# KiCad board KlusterLab r2.0.kicad_pcb (continued)
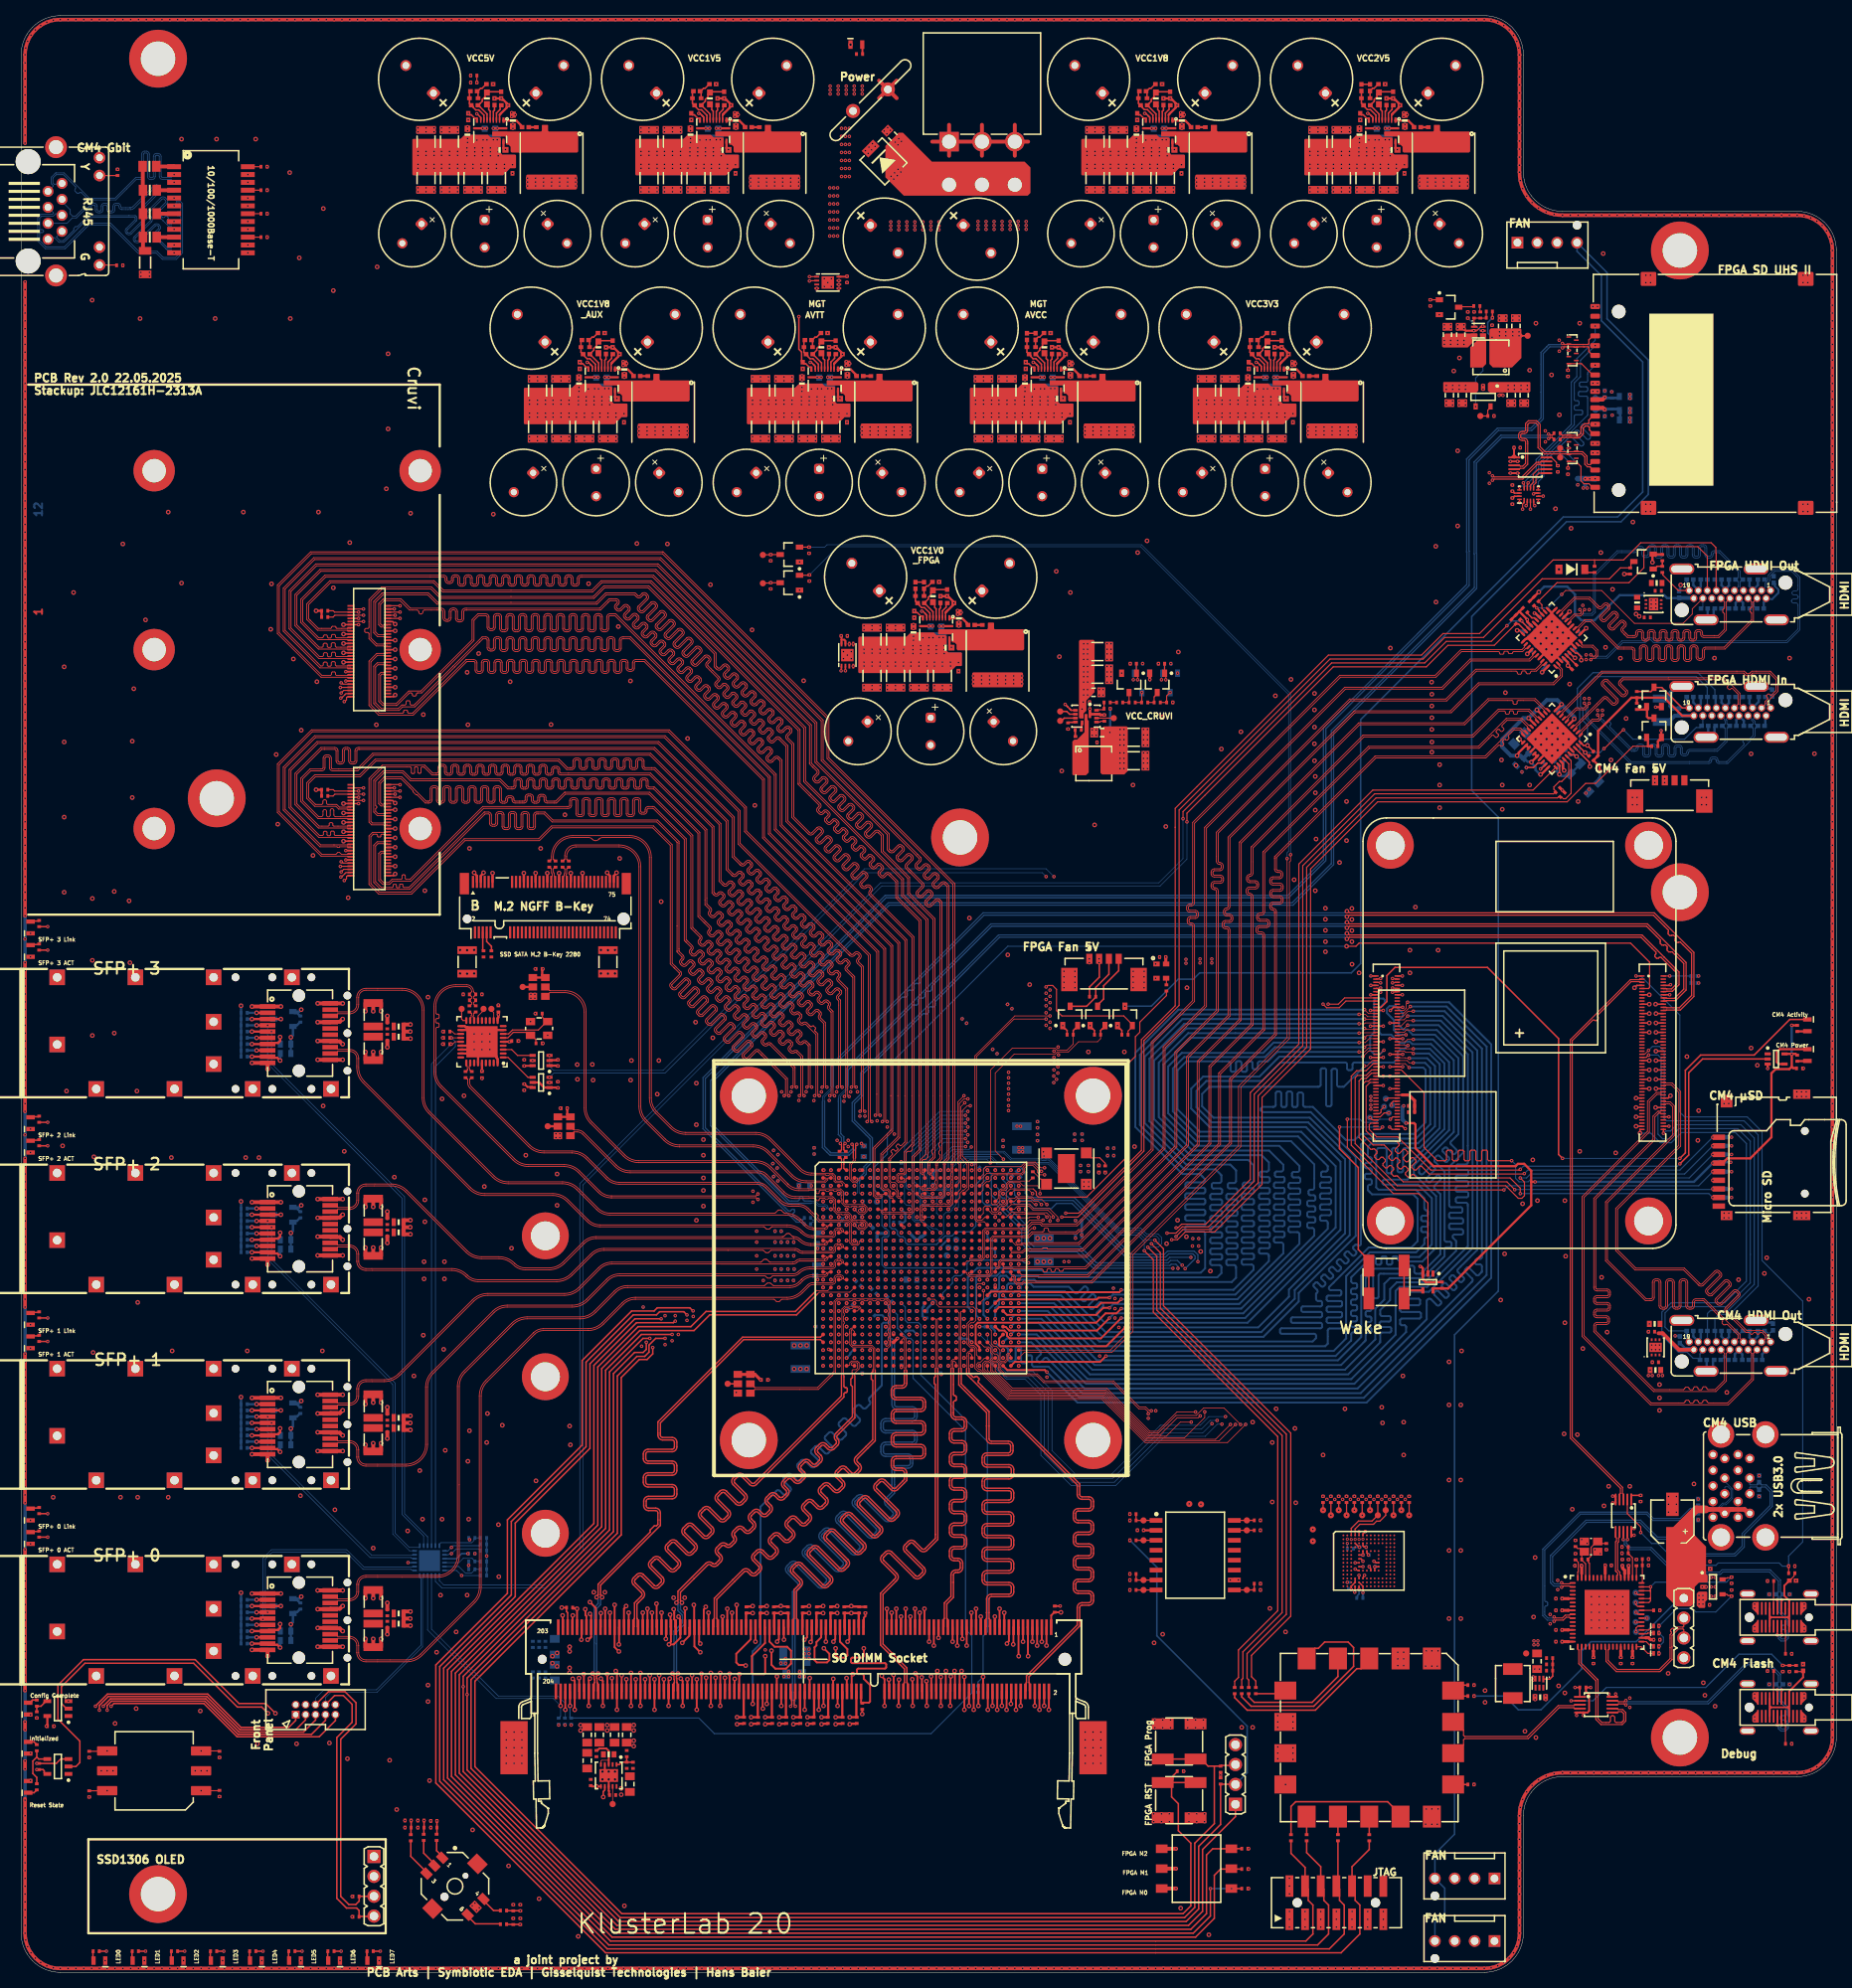
[diagram p0: board, top side]
## Routing (per net, layer and track width the routed paths; a pad name or vN(x,y) marks a point on that pad's centre or on a via; arc(x,y) is an arc through that point) (continued)
CRUVI_B_1_P: length 155.8
  L1 Top w0.114: J27.21 42.11,147.67 41.71,147.67 41.69,147.65 40.84,147.65 40.2,147.65 arc(40.04,147.72) 39.97,147.88 39.97,148.45 arc(39.74,148.69) 39.51,148.45 39.51,147.86 arc(39.27,147.62) 39.04,147.86 39.04,148.33 arc(38.81,148.56) 38.58,148.33 38.58,147.88 arc(38.51,147.72) 38.35,147.65 38.04,147.65 35.99,149.7 35.99,152.48 37.02,153.51 38.43,153.51 arc(38.72,153.63) 38.84,153.92 38.84,155.13 arc(38.89,155.25) 39.01,155.3 39.23,155.3 arc(39.35,155.25) 39.4,155.13 39.4,153.92 arc(39.52,153.63) 39.81,153.51 43.02,153.51 45.02,155.51 80.35,155.51 89.2,146.66 89.2,139.4 89.72,138.88 arc(89.99,138.77) 90.26,138.88 90.54,139.17 arc(90.64,139.21) 90.74,139.17 arc(90.74,139.17) 90.74,139.17 90.94,138.97 arc(90.98,138.87) 90.94,138.77 90.44,138.26 arc(90.32,137.99) 90.44,137.72 90.64,137.52 arc(90.91,137.41) 91.18,137.52 91.68,138.03 arc(91.78,138.07) 91.88,138.03 92.08,137.83 arc(92.08,137.83) 92.08,137.83 arc(92.12,137.73) 92.08,137.63 91.57,137.13 arc(91.46,136.86) 91.57,136.59 91.77,136.39 arc(92.04,136.27) 92.31,136.39 92.82,136.89 arc(92.92,136.93) 93.02,136.89 93.22,136.69 arc(93.22,136.69) 93.22,136.69 arc(93.26,136.6) 93.22,136.5 92.71,135.99 arc(92.6,135.72) 92.71,135.45 92.91,135.25 arc(93.18,135.14) 93.45,135.25 93.96,135.76 arc(94.06,135.8) 94.16,135.76 94.36,135.56 arc(94.4,135.46) 94.36,135.36 93.85,134.85 arc(93.74,134.58) 93.85,134.31 94.05,134.11 arc(94.32,134) 94.59,134.11 95.1,134.62 arc(95.2,134.66) 95.3,134.62 95.49,134.42 arc(95.54,134.32) 95.5,134.22 94.99,133.71 arc(94.88,133.44) 94.99,133.17 95.19,132.97 arc(95.46,132.86) 95.73,132.97 arc(95.73,132.97) 95.73,132.97 96.23,133.48 arc(96.33,133.52) 96.43,133.48 96.63,133.28 arc(96.67,133.18) 96.63,133.08 96.13,132.57 arc(96.01,132.3) 96.13,132.03 96.32,131.83 arc(96.59,131.72) 96.86,131.83 arc(96.86,131.83) 96.87,131.83 97.37,132.34 arc(97.47,132.38) 97.57,132.34 arc(97.57,132.34) 97.57,132.34 97.77,132.14 arc(97.81,132.04) 97.77,131.94 97.26,131.44 arc(97.15,131.17) 97.26,130.9 97.46,130.7 arc(97.73,130.58) 98,130.7 arc(98,130.7) 98,130.7 98.51,131.2 arc(98.61,131.25) 98.71,131.2 arc(98.71,131.2) 98.71,131.2 98.91,131.01 arc(98.95,130.91) 98.91,130.81 98.4,130.3 arc(98.29,130.03) 98.4,129.76 98.6,129.56 arc(98.87,129.45) 99.14,129.56 99.65,130.07 arc(99.75,130.11) 99.85,130.07 100.05,129.87 arc(100.05,129.87) 100.05,129.87 arc(100.09,129.77) 100.05,129.67 99.54,129.16 arc(99.43,128.89) 99.54,128.62 99.74,128.42 arc(100.01,128.31) 100.28,128.42 100.79,128.93 arc(100.89,128.97) 100.99,128.93 101.18,128.73 arc(101.18,128.73) 101.18,128.73 arc(101.23,128.63) 101.18,128.53 100.68,128.02 arc(100.56,127.75) 100.68,127.48 100.88,127.28 arc(101.15,127.17) 101.42,127.28 101.92,127.79 arc(102.02,127.83) 102.12,127.79 102.32,127.59 arc(102.36,127.49) 102.32,127.39 101.81,126.88 arc(101.7,126.61) 101.81,126.34 102.01,126.15 arc(102.28,126.03) 102.55,126.15 arc(102.55,126.15) 102.55,126.15 103.06,126.65 arc(103.16,126.69) 103.26,126.65 103.46,126.45 arc(103.5,126.35) 103.46,126.25 102.95,125.75 arc(102.84,125.48) 102.95,125.21 103.15,125.01 arc(103.42,124.9) 103.69,125.01 arc(103.69,125.01) 103.69,125.01 104.2,125.52 arc(104.3,125.56) 104.4,125.51 104.6,125.32 arc(104.64,125.22) 104.6,125.12 104.31,124.83 arc(104.2,124.56) 104.31,124.29 104.49,124.11 104.49,113.1
  L3 Inner2 (Sig) w0.1: v1(111.5,101.5) 111.43,101.57 111.43,101.84 111.37,101.9 111.12,101.9 110.9,102.12 110.9,103.03 110.84,103.09 110.84,103.5 107.93,106.4 106.33,106.4 104.34,108.4 104.34,111.34 104.4,111.4 104.4,111.86 104.6,112.06 104.6,112.71 104.52,112.78 104.52,112.87 104.32,113.07 v1(104.32,113.1)
CRUVI_B_2_N: length 161
  L1 Top w0.114: 105.63,112 105.63,125.71 104.52,126.82 arc(104.48,126.92) 104.52,127.02 104.66,127.16 arc(104.77,127.4) 104.69,127.66 104.69,127.66 104.42,127.93 104.42,127.93 arc(104.16,128.01) 103.92,127.9 103.72,127.7 arc(103.62,127.66) 103.52,127.7 103.32,127.9 arc(103.28,128) 103.32,128.1 103.68,128.46 arc(103.79,128.7) 103.72,128.96 103.72,128.97 103.45,129.24 103.44,129.24 arc(103.19,129.31) 102.94,129.2 102.58,128.84 arc(102.49,128.8) 102.39,128.84 102.19,129.04 arc(102.15,129.14) 102.19,129.24 102.55,129.6 arc(102.66,129.84) 102.58,130.1 102.58,130.1 102.31,130.37 102.31,130.37 arc(102.05,130.45) 101.81,130.34 101.45,129.98 arc(101.35,129.94) 101.25,129.98 101.05,130.18 arc(101.01,130.28) 101.05,130.38 101.41,130.74 arc(101.52,130.98) 101.44,131.24 101.44,131.24 101.17,131.51 101.17,131.51 arc(100.91,131.59) 100.67,131.48 100.31,131.12 arc(100.21,131.08) 100.11,131.12 99.91,131.32 arc(99.87,131.42) 99.91,131.52 100.27,131.87 arc(100.27,131.87) 100.27,131.88 arc(100.38,132.12) 100.31,132.37 100.31,132.38 100.04,132.65 100.03,132.65 arc(99.77,132.73) 99.53,132.61 99.17,132.25 arc(99.07,132.21) 98.97,132.26 98.77,132.45 arc(98.73,132.55) 98.77,132.65 99.13,133.01 arc(99.13,133.01) 99.13,133.01 arc(99.24,133.26) 99.17,133.51 99.17,133.52 98.9,133.79 98.89,133.79 arc(98.64,133.86) 98.39,133.75 98.03,133.39 arc(97.93,133.35) 97.83,133.39 97.64,133.59 arc(97.59,133.69) 97.64,133.79 97.99,134.15 arc(97.99,134.15) 97.99,134.15 arc(98.11,134.39) 98.03,134.65 98.03,134.66 97.76,134.93 97.75,134.93 arc(97.5,135) 97.26,134.89 96.9,134.53 arc(96.8,134.49) 96.7,134.53 96.5,134.73 arc(96.46,134.83) 96.5,134.93 96.86,135.29 arc(96.86,135.29) 96.86,135.29 arc(96.97,135.53) 96.89,135.79 96.89,135.79 96.62,136.06 96.62,136.06 arc(96.36,136.14) 96.12,136.03 95.76,135.67 arc(95.66,135.63) 95.56,135.67 95.36,135.87 arc(95.32,135.97) 95.36,136.07 95.72,136.43 arc(95.72,136.43) 95.72,136.43 arc(95.83,136.67) 95.75,136.93 95.75,136.93 95.48,137.2 95.48,137.2 arc(95.22,137.28) 94.98,137.17 94.62,136.81 arc(94.52,136.77) 94.42,136.81 94.22,137.01 arc(94.18,137.11) 94.22,137.21 94.58,137.56 arc(94.69,137.81) 94.62,138.06 94.62,138.07 94.35,138.34 94.34,138.34 arc(94.08,138.41) 93.84,138.3 93.48,137.94 arc(93.38,137.9) 93.28,137.94 93.08,138.14 arc(93.04,138.24) 93.08,138.34 93.44,138.7 arc(93.55,138.95) 93.48,139.2 93.48,139.21 93.21,139.48 93.2,139.48 arc(92.95,139.55) 92.7,139.44 92.34,139.08 arc(92.24,139.04) 92.15,139.08 91.95,139.28 arc(91.9,139.38) 91.95,139.48 92.3,139.84 arc(92.42,140.08) 92.34,140.34 92.34,140.34 92.07,140.61 92.07,140.61 arc(91.81,140.69) 91.57,140.58 91.26,140.28 arc(91.16,140.24) 91.06,140.28 90.34,141 90.34,147.13 80.97,156.5 43.08,156.5 arc(42.79,156.38) 42.67,156.09 42.67,154.79 arc(42.62,154.67) 42.5,154.62 42.27,154.62 arc(42.15,154.67) 42.1,154.79 42.1,156.1 arc(41.98,156.39) 41.69,156.51 41.47,156.51 arc(41.18,156.39) 41.06,156.1 41.06,154.79 arc(41.01,154.67) 40.89,154.62 40.66,154.62 arc(40.54,154.67) 40.5,154.79 40.5,156.09 arc(40.38,156.38) 40.09,156.5 38.32,156.5 35,153.18 35,149.2 37.99,146.21 41.69,146.21 41.71,146.19 42.11,146.19 J27.29
  L3 Inner2 (Sig) w0.1: v1(105.82,111.9) 105.82,111.81 105.69,111.67 105.86,111.5 105.86,110.97 105.69,110.8 105.69,108.91 107.17,107.43 108.86,107.43 111.8,104.49 111.8,104.4 111.97,104.23 111.97,103.44 112.1,103.31 112.1,102.2 112.48,101.83 113.03,101.83 114.1,100.75 114.1,99.28 113.72,98.9 113.18,98.9 113.1,98.82 113.1,97.2 113.2,97.1 113.37,97.1 113.43,97.16 113.43,97.43 v1(113.5,97.5)
CRUVI_B_2_P: length 160.8
  L1 Top w0.114: 105.39,112 105.39,125.61 104.35,126.65 arc(104.24,126.92) 104.35,127.19 104.49,127.33 arc(104.53,127.43) 104.49,127.53 104.29,127.73 arc(104.19,127.77) 104.09,127.73 103.89,127.53 arc(103.62,127.42) 103.35,127.53 103.15,127.73 arc(103.04,128) 103.15,128.27 103.51,128.63 arc(103.55,128.73) 103.51,128.83 103.31,129.03 arc(103.21,129.07) 103.11,129.03 102.76,128.67 arc(102.76,128.67) 102.76,128.67 arc(102.49,128.56) 102.22,128.67 102.02,128.87 arc(101.9,129.14) 102.02,129.41 102.38,129.77 arc(102.42,129.87) 102.38,129.97 102.18,130.17 arc(102.08,130.21) 101.98,130.17 101.62,129.81 arc(101.62,129.81) 101.62,129.81 arc(101.35,129.7) 101.08,129.81 100.88,130.01 arc(100.77,130.28) 100.88,130.55 101.24,130.91 arc(101.28,131.01) 101.24,131.11 101.04,131.31 arc(100.94,131.35) 100.84,131.31 100.48,130.95 arc(100.48,130.95) 100.48,130.95 arc(100.21,130.84) 99.94,130.95 99.74,131.15 arc(99.63,131.42) 99.74,131.69 100.1,132.05 arc(100.14,132.15) 100.1,132.25 99.9,132.44 arc(99.8,132.49) 99.7,132.44 99.34,132.09 arc(99.34,132.09) 99.34,132.08 arc(99.07,131.97) 98.8,132.08 98.6,132.28 arc(98.49,132.55) 98.6,132.82 98.96,133.18 arc(99,133.28) 98.96,133.38 98.76,133.58 arc(98.66,133.62) 98.56,133.58 98.2,133.22 arc(97.93,133.11) 97.66,133.22 97.46,133.42 arc(97.35,133.69) 97.46,133.96 97.82,134.32 arc(97.87,134.42) 97.82,134.52 97.63,134.72 arc(97.53,134.76) 97.43,134.72 97.07,134.36 arc(97.07,134.36) 97.07,134.36 arc(96.8,134.25) 96.53,134.36 96.33,134.56 arc(96.22,134.83) 96.33,135.1 96.69,135.46 arc(96.73,135.56) 96.69,135.66 96.49,135.86 arc(96.39,135.9) 96.29,135.86 95.93,135.5 arc(95.93,135.5) 95.93,135.5 arc(95.66,135.39) 95.39,135.5 95.19,135.7 arc(95.08,135.97) 95.19,136.24 95.55,136.6 arc(95.59,136.7) 95.55,136.8 95.35,136.99 arc(95.25,137.04) 95.15,137 94.79,136.64 arc(94.79,136.64) 94.79,136.64 arc(94.52,136.52) 94.25,136.64 94.05,136.84 arc(93.94,137.11) 94.05,137.38 94.41,137.74 arc(94.45,137.84) 94.41,137.93 arc(94.41,137.93) 94.41,137.93 94.21,138.13 arc(94.11,138.17) 94.01,138.13 93.65,137.77 arc(93.65,137.77) 93.65,137.77 arc(93.38,137.66) 93.11,137.77 92.91,137.97 arc(92.8,138.24) 92.91,138.51 93.27,138.87 arc(93.31,138.97) 93.27,139.07 arc(93.27,139.07) 93.27,139.07 93.07,139.27 arc(92.97,139.31) 92.87,139.27 92.52,138.91 arc(92.24,138.8) 91.97,138.91 91.78,139.11 arc(91.66,139.38) 91.78,139.65 92.14,140.01 arc(92.18,140.11) 92.13,140.21 91.94,140.41 arc(91.94,140.41) 91.94,140.41 arc(91.84,140.45) 91.74,140.41 91.43,140.11 arc(91.16,140) 90.89,140.11 90.1,140.9 90.1,147.03 80.87,156.26 43.08,156.26 arc(42.96,156.21) 42.91,156.09 42.91,154.79 arc(42.79,154.5) 42.5,154.38 42.27,154.38 arc(41.98,154.5) 41.86,154.79 41.86,156.1 arc(41.81,156.22) 41.69,156.27 41.47,156.27 arc(41.35,156.22) 41.3,156.1 41.3,154.79 arc(41.18,154.5) 40.89,154.38 40.66,154.38 arc(40.37,154.5) 40.25,154.79 40.25,156.09 arc(40.21,156.21) 40.09,156.26 38.42,156.26 35.24,153.08 35.24,149.3 38.09,146.45 39.24,146.45 arc(39.34,146.49) 39.38,146.59 39.38,146.75 arc(39.42,146.85) 39.52,146.89 39.7,146.89 arc(39.8,146.85) 39.84,146.75 39.84,146.59 arc(39.88,146.49) 39.98,146.45 41.69,146.45 41.71,146.47 42.11,146.47 J27.27
  L3 Inner2 (Sig) w0.1: v1(105.22,111.9) 105.22,111.81 105.36,111.67 105.36,111.62 105.53,111.46 105.53,111.11 105.36,110.94 105.36,108.78 107.03,107.1 108.73,107.1 111.57,104.26 111.66,104.26 111.77,104.15 111.77,103.36 111.9,103.23 111.9,102.12 112.39,101.63 112.94,101.63 113.9,100.67 113.9,99.36 113.64,99.1 113.09,99.1 112.9,98.91 112.9,97.12 113.12,96.9 113.37,96.9 113.43,96.84 113.43,96.57 v1(113.5,96.5)
CRUVI_B_3_N: length 158.9
  L1 Top w0.114: J27.35 42.11,144.99 41.71,144.99 41.69,145.01 38.04,145.01 34.25,148.8 34.25,153.68 37.82,157.25 81.5,157.25 91.14,147.6 91.14,142.6 92.11,141.63 arc(92.21,141.59) 92.31,141.63 92.65,141.97 arc(92.9,142.08) 93.15,142 93.16,142 93.43,141.73 93.43,141.73 arc(93.5,141.47) 93.39,141.23 93.04,140.88 arc(93,140.78) 93.04,140.68 93.24,140.48 arc(93.34,140.44) 93.44,140.48 93.79,140.83 arc(94.03,140.94) 94.29,140.86 94.3,140.86 94.57,140.59 94.57,140.59 arc(94.64,140.33) 94.53,140.09 94.18,139.74 arc(94.14,139.64) 94.18,139.54 94.38,139.34 arc(94.48,139.3) 94.58,139.34 94.93,139.69 arc(95.17,139.8) 95.43,139.73 95.43,139.73 95.7,139.46 95.7,139.45 arc(95.78,139.2) 95.67,138.95 95.32,138.6 arc(95.28,138.5) 95.32,138.4 95.52,138.21 arc(95.62,138.16) 95.72,138.2 96.07,138.55 arc(96.31,138.66) 96.57,138.59 96.57,138.59 96.84,138.32 96.84,138.31 arc(96.92,138.06) 96.81,137.81 96.46,137.47 arc(96.42,137.37) 96.46,137.27 96.66,137.07 arc(96.76,137.03) 96.86,137.07 97.21,137.42 arc(97.45,137.53) 97.7,137.45 97.71,137.45 97.98,137.18 97.98,137.18 arc(98.06,136.92) 97.94,136.68 97.6,136.33 arc(97.55,136.23) 97.6,136.13 97.8,135.93 arc(97.89,135.89) 97.99,135.93 98.34,136.28 arc(98.59,136.39) 98.84,136.31 98.85,136.31 99.12,136.04 99.12,136.04 arc(99.19,135.78) 99.08,135.54 arc(99.08,135.54) 99.08,135.54 98.73,135.19 arc(98.69,135.09) 98.73,134.99 98.93,134.79 arc(99.03,134.75) 99.13,134.79 99.48,135.14 arc(99.72,135.25) 99.98,135.18 99.99,135.18 100.26,134.91 100.26,134.9 arc(100.33,134.64) 100.22,134.4 arc(100.22,134.4) 100.22,134.4 99.87,134.05 ; 106.53,113.1 106.53,127.21 105.57,128.17 arc(105.53,128.27) 105.57,128.37 105.84,128.65 arc(105.96,128.89) 105.88,129.15 105.88,129.15 105.61,129.42 105.6,129.42 arc(105.35,129.5) 105.1,129.39 104.82,129.1 arc(104.72,129.06) 104.62,129.1 104.42,129.3 arc(104.38,129.4) 104.42,129.5 104.77,129.85 arc(104.88,130.09) 104.81,130.35 104.81,130.35 104.54,130.62 104.53,130.62 arc(104.28,130.7) 104.03,130.59 103.68,130.24 arc(103.58,130.2) 103.48,130.24 103.29,130.44 arc(103.24,130.54) 103.29,130.64 103.63,130.99 arc(103.63,130.99) 103.63,130.99 arc(103.74,131.23) 103.67,131.49 103.67,131.49 103.4,131.76 103.39,131.76 arc(103.14,131.84) 102.89,131.73 102.55,131.38 arc(102.45,131.34) 102.35,131.38 102.15,131.58 arc(102.11,131.68) 102.15,131.78 ; 102.15,131.78 102.5,132.12 arc(102.5,132.12) 102.5,132.13 arc(102.61,132.37) 102.53,132.62 102.53,132.63 102.26,132.9 102.26,132.9 arc(102,132.98) 101.76,132.86 101.41,132.52 arc(101.31,132.47) 101.21,132.52 101.01,132.72 arc(100.97,132.81) 101.01,132.91 101.36,133.26 arc(101.36,133.26) 101.36,133.26 arc(101.47,133.51) 101.39,133.76 101.39,133.77 101.12,134.04 101.12,134.04 arc(100.86,134.11) 100.62,134 100.27,133.65 arc(100.17,133.61) 100.07,133.65 99.87,133.85 ; 99.87,134.05 arc(99.83,133.95) 99.87,133.85
  L3 Inner2 (Sig) w0.1: v1(113.5,98.5) 113.57,98.57 113.78,98.57 113.93,98.72 113.93,98.83 114.5,99.4 114.5,100.67 112.9,102.27 112.9,104.69 112.82,104.78 112.73,104.78 109.63,107.87 107.56,107.87 106.27,109.16 106.27,111.14 107.27,112.13 107.27,113.73 107.1,113.9 106.7,113.9 106.59,113.79 106.59,113.33 106.72,113.19 v1(106.72,113.1)
CRUVI_B_3_P: length 160.3
  L1 Top w0.114: J27.33 42.11,145.27 41.71,145.27 41.69,145.25 40.16,145.25 arc(40.06,145.29) 40.02,145.39 40.02,145.67 arc(39.98,145.77) 39.88,145.81 39.7,145.81 arc(39.6,145.77) 39.56,145.67 39.56,145.36 arc(39.52,145.26) 39.42,145.22 39.23,145.22 arc(39.14,145.26) 39.1,145.36 39.1,145.66 arc(39.05,145.76) 38.96,145.8 38.77,145.8 arc(38.67,145.76) 38.63,145.66 38.63,145.39 arc(38.59,145.29) 38.49,145.25 38.14,145.25 34.49,148.9 34.49,153.58 37.92,157.01 81.4,157.01 90.9,147.51 90.9,142.5 91.94,141.46 arc(92.21,141.34) 92.48,141.46 92.82,141.8 arc(92.92,141.84) 93.02,141.8 93.22,141.6 arc(93.26,141.5) 93.22,141.4 92.87,141.05 arc(92.76,140.78) 92.87,140.51 93.07,140.31 arc(93.34,140.2) 93.61,140.31 arc(93.61,140.31) 93.61,140.31 93.96,140.66 arc(94.06,140.7) 94.16,140.66 arc(94.16,140.66) 94.16,140.66 94.36,140.46 arc(94.4,140.36) 94.36,140.26 94.01,139.91 arc(93.9,139.64) 94.01,139.37 94.21,139.17 arc(94.48,139.06) 94.75,139.17 arc(94.75,139.17) 94.75,139.17 95.1,139.52 arc(95.2,139.56) 95.3,139.52 arc(95.3,139.52) 95.3,139.52 95.5,139.32 arc(95.54,139.22) 95.5,139.12 95.15,138.77 arc(95.04,138.5) 95.15,138.23 95.35,138.03 arc(95.62,137.92) 95.89,138.03 96.24,138.38 arc(96.34,138.42) 96.44,138.38 96.64,138.18 arc(96.64,138.18) 96.64,138.18 arc(96.68,138.08) 96.64,137.99 96.29,137.64 arc(96.18,137.37) 96.29,137.1 96.49,136.9 arc(96.76,136.79) 97.03,136.9 97.38,137.25 arc(97.48,137.29) 97.58,137.25 97.77,137.05 arc(97.77,137.05) 97.77,137.05 arc(97.82,136.95) 97.77,136.85 97.43,136.5 arc(97.31,136.23) 97.43,135.96 97.63,135.76 arc(97.9,135.65) 98.17,135.76 98.51,136.11 arc(98.61,136.15) 98.71,136.11 98.91,135.91 arc(98.95,135.81) 98.91,135.71 98.56,135.36 arc(98.45,135.09) 98.56,134.82 98.76,134.62 arc(99.03,134.51) 99.3,134.62 99.65,134.97 arc(99.75,135.01) 99.85,134.97 100.05,134.77 arc(100.09,134.67) 100.05,134.57 99.7,134.22 arc(99.59,133.95) 99.7,133.68 99.9,133.48 arc(100.17,133.37) 100.44,133.48 100.79,133.83 arc(100.89,133.87) 100.99,133.83 101.19,133.63 arc(101.23,133.53) 101.19,133.43 100.84,133.08 arc(100.73,132.81) 100.84,132.54 101.04,132.35 arc(101.31,132.23) 101.58,132.35 101.93,132.69 arc(102.03,132.74) 102.13,132.69 102.33,132.5 arc(102.37,132.4) 102.33,132.3 101.98,131.95 arc(101.87,131.68) 101.98,131.41 102.18,131.21 arc(102.45,131.1) 102.72,131.21 103.07,131.56 arc(103.16,131.6) 103.26,131.56 103.46,131.36 arc(103.51,131.26) 103.46,131.16 103.12,130.81 arc(103,130.54) 103.12,130.27 103.31,130.07 arc(103.58,129.96) 103.85,130.07 104.2,130.42 arc(104.3,130.46) 104.4,130.42 104.6,130.22 arc(104.64,130.12) 104.6,130.02 104.25,129.67 arc(104.14,129.4) 104.25,129.13 104.45,128.93 arc(104.72,128.82) 104.99,128.93 105.28,129.21 arc(105.38,129.26) 105.47,129.21 105.67,129.02 arc(105.72,128.92) 105.67,128.82 105.4,128.54 arc(105.29,128.27) 105.4,128 106.29,127.11 106.29,113.1
  L3 Inner2 (Sig) w0.1: v1(106.12,113.1) 106.12,113.19 106.26,113.33 106.26,113.92 106.56,114.23 107.24,114.23 107.6,113.87 107.6,112 106.6,111 106.6,109.3 107.7,108.2 109.73,108.2 112.96,104.97 112.96,104.92 113.1,104.78 113.1,102.35 114.7,100.75 114.7,99.31 114.13,98.74 114.13,98.66 114.22,98.57 114.43,98.57 v1(114.5,98.5)
CRUVI_B_4_N: length 154.7
  L1 Top w0.114: J27.41 42.11,143.79 41.71,143.79 41.69,143.81 40.72,143.81 40.66,143.74 40.43,143.74 40.37,143.81 38.19,143.81 33.5,148.5 33.5,153.98 37.52,158 82.3,158 91.9,148.4 91.9,144.25 103.01,133.14 106.07,130.08 arc(106.19,130.03) 106.31,130.08 106.51,130.28 arc(106.8,130.4) 107.09,130.28 107.25,130.12 arc(107.37,129.83) 107.25,129.54 107.05,129.34 arc(107,129.22) 107.05,129.1 107.63,128.52 107.63,109.98
  L3 Inner2 (Sig) w0.1: v1(107.82,110) 107.82,110.09 107.69,110.23 107.69,110.79 109.2,112.3 113.9,112.3 114.4,111.8 114.4,111.5 114.7,111.2 115,111.2 115.3,110.9 115.3,110.6 115.6,110.3 115.9,110.3 116.6,109.6 116.6,107.03 116.66,106.97 116.66,104.04 116.73,103.97 116.73,101.17 116.88,101.02 116.88,96.34 116.62,96.09 116.27,96.09 115.9,95.71 ; v1(114.7,95.5) 114.77,95.43 114.77,95.16 114.83,95.1 115.29,95.1 115.96,95.77
CRUVI_B_4_P: length 154.4
  L1 Top w0.114: J27.39 42.11,144.07 41.71,144.07 41.69,144.05 38.29,144.05 33.74,148.6 33.74,153.88 37.62,157.76 82.2,157.76 91.66,148.3 91.66,144.15 105.78,130.03 105.9,129.91 arc(106.19,129.79) 106.48,129.91 106.68,130.11 arc(106.8,130.16) 106.92,130.11 107.08,129.95 arc(107.13,129.83) 107.08,129.71 106.88,129.51 arc(106.76,129.22) 106.88,128.93 107.39,128.42 107.39,109.98
  L3 Inner2 (Sig) w0.1: v1(114.7,94.5) 114.77,94.57 114.77,94.84 114.83,94.9 115.37,94.9 116.36,95.89 116.7,95.89 117.08,96.26 117.08,101.11 116.93,101.26 116.93,103.97 116.99,104.04 116.99,107.11 116.93,107.17 116.93,109.74 114.04,112.63 109.06,112.63 107.36,110.92 107.36,110.23 107.22,110.09 v1(107.22,110)
CRUVI_B_5_N: length 157.2
  L1 Top w0.1: v1(112.8,95.2) U1.H11 112.55,95.5
  L1 Top w0.114: 108.53,108.7 108.53,130.01 92.7,145.84 92.7,148.87 82.82,158.75 37.12,158.75 32.75,154.38 32.75,148.2 38.34,142.61 41.69,142.61 41.71,142.59 42.11,142.59 J27.47
  L3 Inner2 (Sig) w0.1: v1(112.8,95.2) 112.89,95.29 112.89,95.89 113.1,96.1 114.89,96.1 115.93,97.13 115.93,100.67 115.9,100.7 115.9,108.8 113.7,111 109.3,111 108.59,110.29 108.59,108.93 108.72,108.79 v1(108.72,108.7) 108.72,108.61
CRUVI_B_5_P: length 156.9
  L1 Top w0.114: 108.29,108.7 108.29,129.91 92.46,145.74 92.46,148.77 82.72,158.51 37.22,158.51 32.99,154.28 32.99,148.3 38.44,142.85 40.23,142.85 40.47,143.09 40.7,143.09 40.94,142.85 41.69,142.85 41.71,142.87 42.11,142.87 J27.45
  L3 Inner2 (Sig) w0.1: v1(113.5,95.5) 113.2,95.5 113.09,95.61 113.09,95.8 113.18,95.9 114.98,95.9 116.13,97.05 116.13,100.66 116.23,100.76 116.23,108.94 113.84,111.33 109.16,111.33 108.26,110.42 108.26,108.93 108.12,108.79 v1(108.12,108.7) 108.12,108.61
CRUVI_B_6_N: length 156.3
  L1 Top w0.114: J27.16 46.49,148.93 46.39,149.02 45.99,149.02 45.69,149.32 45.69,152.03 46.42,152.75 48.65,152.75 51.76,149.64 52.14,149.64 arc(52.24,149.68) 52.28,149.78 52.28,151.2 arc(52.4,151.47) 52.67,151.59 52.95,151.59 arc(53.22,151.47) 53.33,151.2 53.33,149.76 arc(53.37,149.66) 53.47,149.62 53.75,149.62 arc(53.85,149.66) 53.89,149.76 53.89,151.2 arc(54.01,151.47) 54.28,151.59 54.56,151.59 arc(54.83,151.47) 54.94,151.2 54.94,149.76 arc(54.98,149.66) 55.08,149.62 55.36,149.62 arc(55.46,149.66) 55.5,149.76 55.5,151.2 arc(55.61,151.47) 55.88,151.59 56.17,151.59 arc(56.44,151.47) 56.55,151.2 56.55,149.76 arc(56.59,149.66) 56.69,149.62 56.97,149.62 arc(57.07,149.66) 57.11,149.76 57.11,151.2 arc(57.22,151.47) 57.49,151.59 57.78,151.59 arc(58.05,151.47) 58.16,151.2 58.16,149.76 arc(58.2,149.66) 58.3,149.62 58.58,149.62 arc(58.68,149.66) 58.72,149.76 58.72,151.2 arc(58.83,151.47) 59.1,151.59 59.38,151.59 arc(59.65,151.47) 59.77,151.2 59.77,149.76 arc(59.81,149.66) 59.91,149.62 60.19,149.62 arc(60.29,149.66) 60.33,149.76 60.33,151.2 arc(60.44,151.47) 60.71,151.59 60.99,151.59 arc(61.26,151.47) 61.38,151.2 61.38,149.76 arc(61.42,149.66) 61.52,149.62 61.8,149.62 arc(61.9,149.66) 61.94,149.76 61.94,149.93 arc(62.05,150.2) 62.32,150.32 62.6,150.32 arc(62.87,150.2) 62.98,149.93 62.98,149.78 arc(63.03,149.68) 63.13,149.64 64.28,149.64 arc(64.38,149.68) 64.42,149.78 64.42,150.16 arc(64.53,150.43) 64.8,150.54 65.08,150.54 arc(65.35,150.43) 65.46,150.16 65.46,149.76 arc(65.5,149.66) 65.6,149.62 65.89,149.62 arc(65.99,149.66) 66.03,149.76 66.03,150.12 arc(66.14,150.39) 66.41,150.51 66.69,150.51 arc(66.96,150.39) 67.07,150.12 67.07,149.78 arc(67.11,149.68) 67.21,149.64 68.32,149.64 69.45,150.77 69.55,150.77 80.33,150.77 85.84,145.27 85.84,133.5 86.96,132.39 86.96,132.38 arc(87.03,132.12) 86.92,131.88 86.8,131.76 arc(86.76,131.66) 86.8,131.56 87,131.36 arc(87.1,131.32) 87.2,131.36 87.58,131.74 arc(87.83,131.85) 88.08,131.78 88.09,131.78 88.36,131.51 88.36,131.5 arc(88.43,131.25) 88.32,131 87.94,130.62 arc(87.9,130.52) 87.94,130.42 88.14,130.22 arc(88.24,130.18) 88.34,130.22 88.72,130.6 arc(88.96,130.71) 89.22,130.64 89.23,130.64 89.5,130.37 89.5,130.36 arc(89.57,130.11) 89.46,129.86 arc(89.46,129.86) 89.46,129.86 89.08,129.48 arc(89.04,129.38) 89.08,129.28 89.28,129.08 arc(89.38,129.04) 89.48,129.08 89.86,129.46 arc(90.1,129.57) 90.36,129.5 90.37,129.5 90.64,129.23 90.64,129.22 arc(90.71,128.97) 90.6,128.72 90.22,128.34 arc(90.18,128.24) 90.22,128.14 90.42,127.94 arc(90.52,127.9) 90.62,127.94 91,128.32 arc(91.24,128.43) 91.5,128.36 91.51,128.36 91.78,128.09 91.78,128.08 arc(91.85,127.83) 91.74,127.58 91.36,127.2 arc(91.32,127.1) 91.36,127 91.56,126.8 arc(91.66,126.76) 91.76,126.8 92.14,127.18 arc(92.38,127.29) 92.64,127.22 92.65,127.22 92.92,126.95 92.92,126.94 arc(92.99,126.69) 92.88,126.44 92.5,126.06 arc(92.46,125.96) 92.5,125.86 92.7,125.66 arc(92.8,125.62) 92.89,125.66 93.28,126.04 arc(93.52,126.15) 93.78,126.08 93.79,126.08 94.06,125.81 94.06,125.8 arc(94.13,125.55) 94.02,125.3 93.64,124.92 arc(93.6,124.82) 93.64,124.72 arc(93.64,124.72) 93.64,124.72 93.84,124.52 arc(93.94,124.48) 94.04,124.52 94.42,124.9 arc(94.66,125.02) 94.92,124.94 94.93,124.94 95.2,124.67 95.2,124.66 arc(95.27,124.41) 95.16,124.16 94.78,123.78 arc(94.74,123.68) 94.78,123.58 94.98,123.38 arc(95.08,123.34) 95.18,123.38 95.56,123.76 arc(95.8,123.88) 96.06,123.8 96.07,123.8 96.34,123.53 96.34,123.52 arc(96.41,123.27) 96.3,123.02 95.92,122.64 arc(95.87,122.54) 95.92,122.44 96.12,122.24 arc(96.22,122.2) 96.31,122.24 96.7,122.62 arc(96.94,122.74) 97.2,122.66 97.21,122.66 97.48,122.39 97.48,122.38 arc(97.55,122.13) 97.44,121.88 97.06,121.5 arc(97.01,121.4) 97.06,121.3 97.26,121.1 arc(97.35,121.06) 97.45,121.1 97.84,121.48 arc(97.84,121.48) 97.84,121.48 arc(98.08,121.6) 98.34,121.52 98.35,121.52 98.62,121.25 98.62,121.24 arc(98.69,120.99) 98.58,120.74 98.19,120.36 arc(98.15,120.26) 98.2,120.16 98.39,119.96 arc(98.49,119.92) 98.59,119.96 98.98,120.34 arc(98.98,120.34) 98.98,120.35 arc(99.22,120.46) 99.48,120.38 99.48,120.38 99.76,120.11 99.76,120.1 arc(99.83,119.85) 99.72,119.6 99.33,119.22 arc(99.29,119.12) 99.34,119.02 99.53,118.82 arc(99.63,118.78) 99.73,118.82 99.86,118.94 arc(100.1,119.05) 100.36,118.98 100.36,118.98 100.69,118.65 100.69,118.65 100.78,118.56 100.78,118.56 100.85,118.49 100.85,113.1
  L3 Inner2 (Sig) w0.1: v1(101.04,113.1) 101.04,113.04 100.87,112.87 100.87,112.78 100.9,112.75 100.9,112.28 100.88,112.26 100.88,112.04 100.9,112.02 100.9,102.1 101.9,101.1 101.9,100.22 102.5,99.62 103.68,99.62 104.8,98.5 104.8,98.41 105.01,98.2 105.61,98.2 106.12,97.69 106.12,97.35 106.37,97.1 110.8,97.1 110.83,97.08 111.73,97.08 111.78,97.13 111.78,97.22 v1(111.5,97.5)
CRUVI_B_6_P: length 156
  L1 Top w0.114: 100.61,113.1 100.61,118.39 100.52,118.48 100.52,118.48 100.23,118.77 arc(100.13,118.81) 100.03,118.77 99.91,118.65 arc(99.63,118.54) 99.36,118.65 99.16,118.85 arc(99.05,119.12) 99.16,119.39 99.55,119.78 arc(99.59,119.88) 99.55,119.97 arc(99.55,119.98) 99.55,119.98 99.35,120.17 arc(99.25,120.22) 99.15,120.17 98.77,119.79 arc(98.49,119.68) 98.22,119.79 98.02,119.99 arc(97.91,120.26) 98.02,120.53 arc(98.02,120.53) 98.02,120.53 98.41,120.91 arc(98.45,121.01) 98.41,121.11 98.21,121.31 arc(98.21,121.31) 98.21,121.31 arc(98.11,121.35) 98.01,121.31 97.63,120.93 arc(97.35,120.82) 97.08,120.93 96.88,121.13 arc(96.77,121.4) 96.88,121.67 arc(96.88,121.67) 96.89,121.67 97.27,122.05 arc(97.31,122.15) 97.27,122.25 arc(97.27,122.25) 97.27,122.25 97.07,122.45 arc(96.97,122.49) 96.87,122.45 96.49,122.07 arc(96.22,121.96) 95.94,122.07 95.74,122.27 arc(95.63,122.54) 95.74,122.81 96.13,123.19 arc(96.17,123.29) 96.13,123.39 95.93,123.59 arc(95.83,123.63) 95.73,123.59 95.35,123.21 arc(95.08,123.1) 94.8,123.21 94.61,123.41 arc(94.49,123.68) 94.61,123.95 94.99,124.33 arc(95.03,124.43) 94.99,124.53 94.79,124.73 arc(94.69,124.77) 94.59,124.73 94.21,124.35 arc(93.94,124.24) 93.66,124.35 93.43,124.58 93.43,124.59 arc(93.35,124.85) 93.47,125.09 93.85,125.47 arc(93.89,125.57) 93.85,125.67 93.65,125.87 arc(93.55,125.91) 93.45,125.87 93.07,125.49 arc(92.8,125.38) 92.53,125.49 92.33,125.69 arc(92.21,125.96) 92.33,126.23 92.71,126.61 arc(92.75,126.71) 92.71,126.81 92.51,127.01 arc(92.41,127.05) 92.31,127.01 91.93,126.63 arc(91.66,126.52) 91.39,126.63 91.19,126.83 arc(91.07,127.1) 91.19,127.37 91.57,127.75 arc(91.61,127.85) 91.57,127.95 arc(91.57,127.95) 91.57,127.95 91.37,128.15 arc(91.27,128.19) 91.17,128.15 90.79,127.77 arc(90.52,127.66) 90.25,127.77 90.05,127.97 arc(89.93,128.24) 90.05,128.51 90.43,128.89 arc(90.47,128.99) 90.43,129.09 90.23,129.29 arc(90.23,129.29) 90.23,129.29 arc(90.13,129.33) 90.03,129.29 89.65,128.91 arc(89.65,128.91) 89.65,128.91 arc(89.38,128.79) 89.11,128.91 88.91,129.11 arc(88.79,129.38) 88.91,129.65 89.29,130.03 arc(89.33,130.13) 89.29,130.23 arc(89.29,130.23) 89.29,130.23 89.09,130.43 arc(88.99,130.47) 88.89,130.43 88.51,130.05 arc(88.51,130.05) 88.51,130.05 arc(88.24,129.93) 87.97,130.05 87.77,130.25 arc(87.65,130.52) 87.77,130.79 88.15,131.17 arc(88.19,131.27) 88.15,131.37 87.95,131.57 arc(87.95,131.57) 87.95,131.57 arc(87.85,131.61) 87.75,131.57 87.37,131.19 arc(87.1,131.07) 86.83,131.19 86.63,131.39 arc(86.51,131.66) 86.63,131.93 86.75,132.05 arc(86.79,132.15) 86.75,132.25 85.68,133.32 85.68,133.32 85.6,133.4 85.6,145.17 80.23,150.53 69.55,150.53 68.42,149.4 67.21,149.4 arc(66.94,149.51) 66.83,149.78 66.83,150.12 arc(66.79,150.22) 66.69,150.27 66.41,150.27 arc(66.31,150.22) 66.27,150.12 66.27,149.76 arc(66.16,149.49) 65.89,149.38 65.6,149.38 arc(65.33,149.49) 65.22,149.76 65.22,150.16 arc(65.18,150.26) 65.08,150.3 64.8,150.3 arc(64.7,150.26) 64.66,150.16 64.66,149.78 arc(64.55,149.51) 64.28,149.4 63.13,149.4 arc(62.86,149.51) 62.74,149.78 62.74,149.93 arc(62.7,150.03) 62.6,150.08 62.32,150.08 arc(62.22,150.03) 62.18,149.93 62.18,149.76 arc(62.07,149.49) 61.8,149.37 61.52,149.37 arc(61.25,149.49) 61.13,149.76 61.13,151.2 arc(61.09,151.3) 60.99,151.35 60.71,151.35 arc(60.61,151.3) 60.57,151.2 60.57,149.76 arc(60.46,149.49) 60.19,149.37 59.91,149.37 arc(59.64,149.49) 59.53,149.76 59.53,151.2 arc(59.48,151.3) 59.38,151.35 59.1,151.35 arc(59,151.3) 58.96,151.2 58.96,149.76 arc(58.85,149.49) 58.58,149.37 58.3,149.37 arc(58.03,149.49) 57.92,149.76 57.92,151.2 arc(57.88,151.3) 57.78,151.35 57.49,151.35 arc(57.39,151.3) 57.35,151.2 57.35,149.76 arc(57.24,149.49) 56.97,149.37 56.69,149.37 arc(56.42,149.49) 56.31,149.76 56.31,151.2 arc(56.27,151.3) 56.17,151.35 55.88,151.35 arc(55.78,151.3) 55.74,151.2 55.74,149.76 arc(55.63,149.49) 55.36,149.37 55.08,149.37 arc(54.81,149.49) 54.7,149.76 54.7,151.2 arc(54.66,151.3) 54.56,151.35 54.28,151.35 arc(54.18,151.3) 54.13,151.2 54.13,149.76 arc(54.02,149.49) 53.75,149.37 53.47,149.37 arc(53.2,149.49) 53.09,149.76 53.09,151.2 arc(53.05,151.3) 52.95,151.35 52.67,151.35 arc(52.57,151.3) 52.52,151.2 52.52,149.78 arc(52.41,149.51) 52.14,149.4 51.66,149.4 50.59,150.46 50.5,150.46 50.5,150.46 50.46,150.46 50.1,150.82 50.1,150.86 50.1,150.86 50.1,150.96 48.55,152.51 46.52,152.51 45.94,151.93 45.94,149.41 46.1,149.25 46.36,149.25 46.38,149.27 46.78,149.27 J27.14